# Altium PCB PCB.PcbDoc (part 1 of 5) (continued)
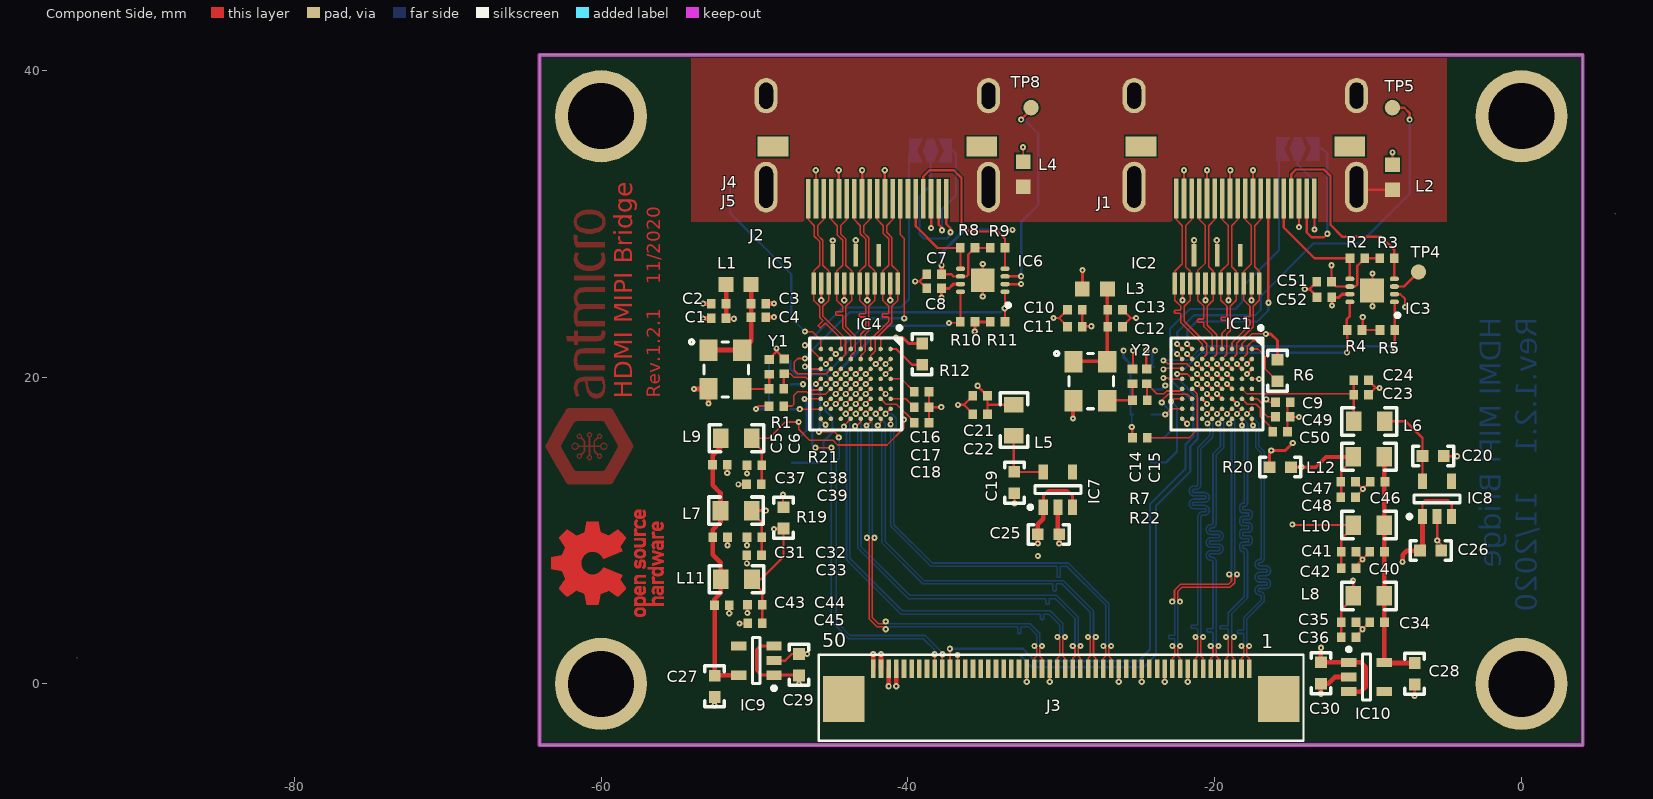
[diagram p0: Component Side view]
## Part data
C1 C4 C7 C8 C9 C10 C13 C16 C17 C18 C31 C34 C37 C40 C43 C46 C49 C50 C51 C52: library part C_100n_0402, "MLCC SMT Capacitor 100nF 0402"
C2 C3 C5 C6 C11 C12 C14 C15: library part C_47p_0402, "MLCC SMT Capacitor 47pF 0402"
C19 C20 C25 C26 C27 C28 C29 C30: library part C_10u_0603, "MLCC SMT Capacitor 10uF 0603"
C21 C23 C32 C35 C38 C41 C44 C47: library part C_4u7_0402, "MLCC SMT Capacitor 4u7F 0603"
C22 C24 C33 C36 C39 C42 C45 C48: library part C_470p_0402, "MLCC SMT Capacitor 470pF 0402"
IC1 IC4: "Toshiba TC358743XBG HDMI-CSI bridge"
IC2 IC5: "8-Channel ESD Protection for DisplayPort and HDMI"
IC3 IC6: "I2C BUS REPEATER W/ LEVEL TRANS, HWSON-8"
IC7 IC8: "Linear Voltage Regulator IC Positive Fixed Output 2.5V 300mA SOT-23-5"
IC9 IC10: "Linear Voltage Regulator IC Positive Fixed Output 3.3V 300mA SOT-23-5"
J1 J2: library part CON-Molex-471511001, "Header right angle HDMI"
J3: library part WE-687-150-145-22_FLIPPED, "0.50mm SMT ZIF Horizontal Bottom Contact WR-FPC"
J4 J5: library part CON-Molex-505110-1992, "FPC socket 19 pins"
JP1 JP2: library part "Jumper 2 way", "Solder jumper"
L1 L3: "Ferrite Bead, 600 ohm, 0603 [1608 Metric], BLM18A Series, 500 mA, 0.38 ohm, ± 25%"
L2 L4: "FERRITE BEAD, 0.025OHM, 3A, 0603"
L5 L6 L7 L8 L9 L10 L11 L12: library part Wurth-742792096, "FERRITE BEAD, 1kOhm 1A"
R1 R7: library part R_22R_0402, "SMT Resistor 22R 0402"
R2 R3 R4 R5 R8 R9 R10 R11 R21 R22: library part R_10k_0402, "SMT Resistor 0402"
R6 R12: library part R_2k_0603, "SMT Resistor 2k 0603"
R13 R14 R15 R16 R17 R18 R19 R20: library part R_0R_0603, "SMT Resistor 0R 0603"
TP1 TP2 TP3 TP4 TP5 TP6 TP7 TP8: library part TP-R-1, "Testpad, round, 1mm"
Y1 Y2: library part 7C-27.000MBB-T, "OSC, 27.000MHZ, 3.3V, SMD, 5.0X3.2"

## Free pads (board coordinates)
  round 6 hole 4.3 unplated: M(-60,0) M(-60,37) M(0,0) M(0,37)

## Via types
v1: diameter 0.4, hole 0.15, Component Side to Solder Side, 247 vias

## Nets (pads, with @x,y where several pads share a name; then routed paths per layer and width w, separated by ;. In a path a pad name is that pad's centre, name@x,y a point inside that pad or via, vN(x,y) a via of type N, cw(c..) or ccw(c..) an arc to the next point about the centre after c; other vN are vias at no path point)
3V3: C1.2 C2.2 C8.1 C10.2 C11.2 C25.2 C26.2 C29.2 C30.2 C52.1 IC2.13 IC2.14 IC3.7 IC5.13 IC5.14 IC6.7 IC7.1 IC7.3 IC8.1 IC8.3 IC9.1 IC9.3 IC10.1 IC10.3 J3.47 J3.48 L1.1 L3.1 R4.2 R5.2 R10.2 R11.2 R13.1 R14.1 R15.1 R16.1 R17.1 R18.1 R21.2 R22.2 | length 213.4
  Component Side w0.15: C1.2@-51.838,23.792 v1@-51.333,23.792 ; v1(-49.898,17.92) -49.708,18.11 R21.2@-49.045,18.11 ; IC9.3@-48.726,2.463 IC9.3@-48.616,2.573 ; C10.2@-28.626,24.384 C11.2@-28.626,23.292 -28.608,23.309 v1(-28.035,23.309) ; v1(-25.4,16.739) -25.372,16.711 R22.2@-25.372,16.053 ; IC2.13@-21.342,27.943 -21.342,29.027 v1@-21.336,29.032 ; IC2.14@-19.842,27.943 v1@-19.842,28.916 ; v1(-10.348,23.901) -10.348,23.112 R4.2@-10.395,23.065 R5.2@-9.222,23.065 ; IC8.1@-6.452,10.903 -6.452,11.785 -6.248,11.989 -4.801,11.989 -4.552,11.74 IC8.3@-4.552,10.903
  Component Side w0.152: IC5.13@-44.894,27.943 v1(-44.894,28.893) ; IC5.14@-43.394,27.943 v1(-43.394,28.916)
  Component Side w0.2: IC9.3@-48.726,2.463 -49.633,2.463 -49.86,2.235 -49.86,0.864 -49.559,0.563 IC9.1@-48.726,0.563 -47.108,0.563 C29.2@-47.092,0.546 ; v1(-37.795,25.171) -37.795,25.76 C8.1@-37.808,25.773 -37.32,25.773 -37.037,26.057 IC6.7@-36.563,26.057 ; v1(-35.636,22.962) -35.624,22.975 R10.2@-35.624,23.589 R11.2@-34.628,23.589 ; IC7.1@-31.165,11.512 -31.165,12.269 -30.836,12.598 -29.616,12.598 -29.265,12.247 IC7.3@-29.265,11.512 ; L3.1@-28.625,25.73 -28.619,25.737 v1(-28.619,26.967) ; v1(-12.344,24.663) -12.344,25.169 C52.1@-12.372,25.197 -11.887,25.197 -11.687,25.397 IC3.7@-11.182,25.397
  Component Side w0.3: C1.2@-51.847,23.818 C2.2@-51.847,24.783 L1.1@-51.846,26.027 ; v1(-41.25,-0.161) J3.48@-41.25,0.99 ; v1(-40.75,-0.161) J3.47@-40.75,0.99 ; v1(-31.521,9.144) -31.524,9.147 C25.2@-31.524,9.741 -31.524,10.414 -31.165,10.773 IC7.1@-31.165,11.512 ; v1(-13.071,2.352) C30.2@-13.071,1.397 -10.465,1.397 -10.16,1.092 -10.16,-0.178 -10.487,-0.505 IC10.3@-11.249,-0.505 ; v1(-7.747,7.95) -7.747,8.407 -7.468,8.687 C26.2@-6.617,8.687 -6.528,8.687 -6.452,8.763 IC8.1@-6.452,10.903
  Power Layer w0.2: v1(-51.342,23.8) -51.333,23.791 -51.333,19.355 v1(-49.898,17.92) -49.898,3.416 -47.092,0.61 v1(-47.092,0) -47.092,-0.711 -46.406,-1.397 -41.656,-1.397 -41.25,-0.991 v1(-41.25,-0.161) v1(-40.75,-0.161) -40.75,-0.948 -40.327,-1.372 -33.198,-1.372 ; v1(-44.894,28.893) -36.728,28.893 ; v1(-37.795,25.171) -35.636,25.171 ; v1(-35.636,22.962) -35.636,25.171 ; v1(-35.636,22.962) -28.372,22.962 -27.94,23.393 -26.949,23.393 -25.933,22.377 v1@-25.933,21.869 ; v1@-28.626,26.967 -28.626,27.584 -29.935,28.893 ; v1(-25.4,16.739) -28.067,16.739 -31.521,13.284 v1(-31.521,9.144) v1(-31.521,8.331) -31.521,8.001 -33.198,6.325 -33.198,-1.372 ; v1@-21.394,28.974 -21.475,28.893 -29.935,28.893 ; v1(-21.336,28.916) v1(-19.863,28.916) -16.597,28.916 -15.329,27.648 -15.329,25.59 -14.402,24.663 v1(-12.344,24.663) -10.693,24.663 -10.348,24.318 v1(-10.348,23.901) ; v1@-13.071,2.311 -9.068,2.311 -7.747,3.632 v1(-7.747,7.95) ; v1(-13.071,2.352) -14.107,2.352 -17.831,-1.372 -33.198,-1.372 ; -36.728,28.893 -29.935,28.893 ; -36.728,28.893 -36.728,27 -35.636,25.908 -35.636,25.171
  Solder Side w0.105: v1(-25.4,16.739) R16.1@-25.4,17.551
  Solder Side w0.15: R15.1@-49.05,17.92 R17.1@-49.05,19.495 R13.1@-49.05,21.07 ; R16.1@-25.489,17.551 R18.1@-25.489,20.853 ; R16.1@-25.327,17.565 R16.1@-25.324,17.567
  Solder Side w0.2: v1(-49.898,17.92) R15.1@-49.05,17.92 ; v1(-25.933,21.717) -25.933,21.298 R18.1@-25.489,20.853
5V0: C7.2 C51.2 IC3.6 IC6.6 J3.49 J3.50 R2.2 R3.2 R8.2 R9.2 | length 72.8
  Component Side w0.15: C7.2@-37.791,26.695 -37.16,26.695 -37.021,26.557 IC6.6@-36.563,26.557 -36.181,26.557 -36.068,26.67 -36.068,27.971 R8.2@-35.624,28.415 R9.2@-34.628,28.415 ; v1(-12.377,27.286) C51.2@-12.377,26.209 -12.065,25.897 IC3.6@-11.182,25.897 -10.831,25.897 -10.706,26.023 -10.706,27.244 R2.2@-10.213,27.737 R3.2@-9.243,27.737
  Component Side w0.3: J3.50@-42.25,0.99 v1@-42.25,1.921 ; J3.49@-41.75,0.99 v1(-41.75,1.938) ; v1(-37.795,27.28) -37.795,26.7 C7.2@-37.791,26.695
  Power Layer w0.2: v1(-42.25,1.938) v1(-41.75,1.938) -40.251,1.938 -34.214,7.976 -34.214,19.202 -38.532,23.52 -38.532,26.543 v1(-37.795,27.28) ; v1(-33.172,29.591) -16.078,29.591 -13.774,27.286 v1(-12.377,27.286)
  Solder Side w0.2: v1(-37.795,27.28) -37.795,28.092 -36.297,29.591 v1(-33.172,29.591)
CH1_1V2: C27.2 C31.2 C37.2 C43.2 IC9.6 L7.1 L9.1 L11.1 | length 18.1
  Component Side w0.3: C27.2@-52.593,0.535 C27.2@-52.593,0.59 ; L9.1@-52.197,16.002 -52.197,15.418 -52.728,14.887 C37.2@-52.728,14.275 -52.728,12.951 -52.212,12.436 L7.1@-52.212,11.29 -52.212,10.551 -52.718,10.046 C31.2@-52.718,9.562 -52.718,8.42 -52.187,7.889 L11.1@-52.187,6.82 -52.187,5.931 -52.601,5.518 C43.2@-52.601,5.131 -52.593,5.123 C27.2@-52.593,0.59 ; IC9.6@-51.026,0.563 -52.566,0.563 C27.2@-52.593,0.59
CH1_#RST: IC4.G5 R21.1 | length 4
  Component Side w0.105: R21.1@-48.085,18.11 -47.549,18.11 -47.447,18.212 -47.447,18.771 -47.168,19.05 -46.609,19.05 -46.438,18.879 -45.365,18.879 IC4.G5@-45.019,19.225
CH1_AVDD12: C32.2 C33.2 IC4.B2 IC4.D3 L7.2 | length 4.8
  Component Side w0.105: v1(-43.394,20.2) IC4.D3@-43.069,20.525 ; v1(-42.088,20.853) -42.088,20.856 IC4.B2@-41.769,21.175
  Component Side w0.15: L7.2@-50.18,11.29 -50.18,11.166 -49.523,10.508 C32.2@-49.523,9.562 C33.2@-49.523,8.624
  Component Side w0.2: L7.2@-50.18,11.29 v1(-49.264,11.29)
CH1_AVDD25: C21.2 C22.2 IC4.B5 L5.2 | length 10.5
  Component Side w0.105: IC4.B5@-41.769,19.225 v1(-41.444,18.9)
  Component Side w0.15: v1(-35.45,19.432) -35.45,19.42 C21.2@-34.801,18.771 -34.801,18.161 ; C22.2@-34.801,17.577 -34.801,18.161 ; L5.2@-33.086,18.201 -34.761,18.201 -34.801,18.161
  Power Layer w0.2: v1(-41.444,18.9) -40.912,19.432 v1(-35.45,19.432)
CH1_AVDD33: IC4.B1 IC4.F3 R12.2 R17.2 | length 12.2
  Component Side w0.105: v1(-44.694,20.2) IC4.F3@-44.369,20.525 ; IC4.B1@-41.769,21.753 IC4.B1@-41.769,21.825 -41.769,22.391 -41.58,22.581 v1(-40.767,22.581)
  Component Side w0.2: v1(-40.767,22.581) -40.335,22.581 -39.942,22.187 R12.2@-39.065,22.187
  Power Layer w0.2: v1(-46.838,19.533) -46.17,20.2 v1(-44.694,20.2)
  Solder Side w0.15: R17.2@-47.653,19.495 -47.615,19.533 v1(-46.838,19.533)
  Solder Side w0.2: v1(-44.694,20.2) -42.313,22.581 v1(-40.767,22.581)
CH1_INT: IC4.B3
CH1_REFCLK: C6.2 IC4.H5 R1.2 | length 4
  Component Side w0.105: C6.2@-48.042,20.213 -47.645,20.213 -47.422,19.99 -46.66,19.99 -46.406,19.736 -46.406,19.304 -46.253,19.152 -45.743,19.152 IC4.H5@-45.669,19.225
  Component Side w0.15: R1.2@-48.079,19.223 C6.2@-48.079,20.176
CH1_VDD_MIPI: C38.2 C39.2 IC4.C6 IC4.F6 L9.2 | length 22.1
  Component Side w0.105: L9.2@-50.165,16.002 -49.047,16.002 -47.981,17.069 v1(-47.117,17.069) -47.117,16.586 -46.406,15.875 -44.882,15.875 -44.577,15.57 -41.351,15.57 -40.259,16.662 v1(-40.259,17.221) ; v1@-44.679,18.25 -44.369,18.56 IC4.F6@-44.369,18.575 ; v1(-42.744,18.25) IC4.C6@-42.419,18.575
  Component Side w0.15: L9.2@-50.18,15.887 -49.523,15.229 C38.2@-49.523,14.236 C39.2@-49.523,13.069
  Power Layer w0.2: v1(-47.117,17.069) -46.66,17.069 -46.126,17.602 -45.326,17.602 v1@-44.679,18.25 ; v1(-42.744,18.25) -42.553,18.059 -41.097,18.059 v1(-40.259,17.221)
  other v1: -44.694,18.25
CH1_VDDC1: C44.2 C45.2 IC4.G2 L11.2 R19.1 | length 23.1
  Component Side w0.105: v1(-45.344,20.85) IC4.G2@-45.019,21.175
  Component Side w0.15: C45.2@-49.497,4.23 C44.2@-49.497,5.144 -49.497,6.038 -50.155,6.696 L11.2@-50.155,6.82 -49.568,6.82 -48.108,8.28 R19.1@-48.108,10.122 -48.679,10.122 v1(-48.717,10.084)
  Power Layer w0.2: v1@-48.692,10.084 v1(-48.717,10.084) -48.717,20.168 -47.269,21.615 -45.72,21.615 -45.344,21.239 v1(-45.344,20.85)
CH1_VDDC2: IC4.C3 IC4.F5 R19.2 | length 28.3
  Component Side w0.105: v1(-48.133,12.344) -48.133,11.544 R19.2@-48.108,11.519 ; v1(-44.694,18.9) IC4.F5@-44.369,19.225 ; v1(-42.744,20.2) IC4.C3@-42.419,20.525
  Power Layer w0.2: v1(-48.133,12.344) -48.133,13.081 ; v1(-44.694,18.9) -44.768,18.974 -47.523,18.974 -48.133,18.364 -48.133,13.081 ; v1(-42.744,20.2) -42.374,20.2 -42.037,19.863 -42.037,18.669 -41.808,18.44 -40.132,18.44 -39.446,17.755 -39.446,15.799 -40.716,14.529 -46.685,14.529 -48.133,13.081
CH1_VDDIO1: IC4.F4 R13.2 | length 4.4
  Component Side w0.105: v1(-44.694,19.55) IC4.F4@-44.369,19.875
  Solder Side w0.15: R13.2@-47.653,21.07 -47.653,20.526 -47.295,20.168 -45.312,20.168 v1(-44.694,19.55)
CH1_VDDIO2: IC4.H7 R15.2 | length 2
  Component Side w0.105: v1(-47.041,17.907) -45.687,17.907 IC4.H7@-45.669,17.925
  Solder Side w0.15: R15.2@-47.653,17.92 -47.64,17.907 v1(-47.041,17.907)
CH2_1V2: C28.2 C34.2 C40.2 C46.2 IC10.6 L8.1 L10.1 L12.1 | length 27.1
  Component Side w0.15: IC10.6@-8.949,1.395 -8.949,4.011 C34.2@-8.933,4.026 ; L8.1@-8.931,5.728 L10.1@-8.931,10.351 L12.1@-8.931,14.796
  Component Side w0.3: IC10.6@-8.949,1.395 -8.913,1.359 C28.2@-6.96,1.359 ; IC10.6@-8.933,1.395 C34.2@-8.933,4.026 -8.933,5.726 L8.1@-8.931,5.728 ; L8.1@-8.933,5.728 C40.2@-8.933,8.598 -8.933,14.793 L12.1@-8.931,14.796
CH2_#RST: IC1.G5 R22.1 | length 6.3
  Component Side w0.105: R22.1@-24.46,16.027 -24.435,16.053 -21.641,16.053 -21.142,16.552 -21.142,18.9 IC1.G5@-21.467,19.225
CH2_AVDD12: C35.2 C36.2 IC1.B2 IC1.D3 L8.2 | length 29.4
  Component Side w0.105: IC1.B2@-18.217,21.175 -17.882,21.511 -17.882,21.996 -17.501,22.377 v1(-17.094,22.377)
  Component Side w0.15: v1(-19.842,20.85) IC1.D3@-19.517,20.525 ; C36.2@-11.748,3.036 C35.2@-11.748,4.026 -11.748,4.816 -10.963,5.601 L8.2@-10.963,5.728 v1@-10.963,6.696
  Power Layer w0.2: v1(-19.842,20.85) -19.842,21.5 -18.965,22.377 v1(-17.094,22.377) -16.434,22.377 -14.021,19.964 -14.021,15.469 -14.91,14.58 -14.91,11.887 -10.973,7.95 v1(-10.973,6.731)
CH2_AVDD25: C23.2 C24.2 IC1.B5 L6.2 | length 10.1
  Component Side w0.105: IC1.B5@-18.217,19.225 -17.889,18.898 -10.998,18.898 C23.2@-10.937,18.837
  Component Side w0.15: L6.2@-10.937,17.107 C23.2@-10.937,18.837 ; C23.2@-10.935,18.835 C23.2@-10.937,18.837 ; C24.2@-10.935,19.774 -10.937,19.772 C23.2@-10.937,18.837
CH2_AVDD33: IC1.B1 IC1.F3 R6.2 R18.2 | length 14.5
  Component Side w0.105: IC1.F3@-20.817,20.525 IC1.F3@-20.817,20.538 ; IC1.B1@-18.217,21.825 -18.217,22.169 -17.577,22.809 v1(-16.662,22.809)
  Component Side w0.15: v1@-21.142,20.85 IC1.F3@-20.817,20.525
  Component Side w0.2: v1(-16.662,22.809) -16.332,22.809 -15.9,22.377 R6.2@-15.9,21.12
  Power Layer w0.2: v1(-23.876,21.717) -23.292,21.717 -22.425,20.85 v1(-21.142,20.85) -21.142,21.225 -19.558,22.809 v1(-16.662,22.809)
  Solder Side w0.15: R18.2@-23.98,20.663 R18.2@-23.952,20.691 ; v1@-23.901,21.742 v1@-23.876,21.768
  Solder Side w0.2: R18.2@-24.092,20.853 -24.092,21.501 v1(-23.876,21.717)
CH2_INT: IC1.B3 | length 0.5
  Component Side w0.15: v1(-18.542,20.85) IC1.B3@-18.217,20.525
CH2_REFCLK: C15.2 IC1.H5 R7.2 | length 3.8
  Component Side w0.105: C15.2@-24.414,19.562 -23.768,18.917 -23.298,18.917 -23.125,19.089 -22.253,19.089 IC1.H5@-22.117,19.225
  Component Side w0.15: C15.2@-24.414,19.562 -24.414,18.515 R7.2@-24.391,18.493
CH2_VDD_MIPI: C41.2 C42.2 IC1.C6 IC1.F6 L10.2 | length 19.9
  Component Side w0.15: IC1.F6@-20.817,18.575 v1(-20.492,18.25) ; IC1.C6@-18.867,18.575 v1(-18.542,18.25) ; v1(-14.935,10.389) -14.898,10.351 L10.2@-10.963,10.351 -10.963,10.221 -11.748,9.436 C41.2@-11.748,8.598 C42.2@-11.748,7.532
  Power Layer w0.2: v1(-20.492,18.25) v1(-18.542,18.25) -17.57,18.25 -15.596,16.276 -15.596,11.049 v1(-14.935,10.389)
CH2_VDDC1: C47.2 C48.2 IC1.G2 L12.2 R20.1 | length 25.7
  Component Side w0.15: v1(-21.792,21.5) IC1.G2@-21.467,21.175 ; C48.2@-11.748,12.129 -11.748,13.884 -10.963,14.669 L12.2@-10.963,14.796
  Component Side w0.25: R20.1@-15.024,14.122 v1(-14.351,14.122) -13.424,14.122 -12.751,14.796 L12.2@-10.963,14.796
  Power Layer w0.2: v1(-21.792,21.5) -19.924,23.368 -15.519,23.368 -13.437,21.285 -13.437,14.478 -13.792,14.122 v1(-14.351,14.122)
CH2_VDDC2: IC1.C3 IC1.F5 R20.2 | length 21.7
  Component Side w0.105: v1@-16.307,15.1 v1(-16.307,15.215)
  Component Side w0.15: v1@-21.142,19.55 IC1.F5@-20.817,19.225 ; v1(-19.192,20.85) IC1.C3@-18.867,20.525
  Component Side w0.2: R20.2@-16.421,14.122 v1@-16.421,15.1 ; v1(-16.307,15.215) -15.392,15.215 v1(-14.91,15.697)
  Power Layer w0.2: v1(-21.142,19.55) -21.142,16.494 -19.863,15.215 v1(-16.307,15.215) ; v1(-19.192,20.85) -19.192,21.27 -18.771,21.692 -17.018,21.692 -14.91,19.583 v1(-14.91,15.697) v1@-14.884,15.672
CH2_VDDIO1: IC1.F4 R14.2 | length 3.9
  Component Side w0.15: v1@-21.142,20.2 IC1.F4@-20.817,19.875
  Power Layer w0.2: v1(-23.216,19.443) -22.289,19.443 -21.532,20.2 v1(-21.142,20.2)
  Solder Side w0.105: R14.2@-24.115,19.192 R14.2@-24.014,19.192
  Solder Side w0.15: R14.2@-24.014,19.192 -23.467,19.192 v1(-23.216,19.443)
CH2_VDDIO2: IC1.H7 R16.2 | length 2.1
  Component Side w0.105: v1@-23.092,17.551 -23.092,17.675 -22.842,17.925 IC1.H7@-22.117,17.925
  Solder Side w0.15: R16.2@-24.092,17.551 v1(-23.216,17.551)
CSI1_CLK_N: IC4.C7 J3.28 | length 28.1
  Component Side w0.105: v1(-42.744,17.602) v1(-42.744,17.602) IC4.C7@-42.419,17.925 ; v1(-42.167,9.525) -42.315,9.378 -42.315,5.634 -42.316,5.632 -42.316,4.325 -41.91,3.918 -41.59,3.918 v1(-41.442,4.066) ; J3.28@-31.25,0.99 -31.25,1.664 -31.395,1.809 -31.395,2.316 v1(-31.247,2.464)
  Solder Side w0.105: v1(-42.744,17.602) -42.744,17.6 -42.315,17.171 -42.315,9.673 v1(-42.167,9.525) ; v1@-41.529,3.918 -41.442,4.005 v1(-41.442,4.066) ; v1@-41.442,3.918 -33.503,3.918 -32.883,3.918 -32.019,3.918 -31.395,3.295 -31.395,2.611 v1(-31.247,2.464)
CSI1_CLK_P: IC4.C8 J3.29 | length 28.1
  Component Side w0.105: v1(-42.697,16.84) -42.672,16.84 -42.419,17.093 IC4.C8@-42.419,17.275 ; v1(-42.672,9.525) -42.525,9.378 -42.525,5.721 -42.526,5.719 -42.526,4.238 -41.997,3.708 -41.59,3.708 v1(-41.442,3.561) ; v1(-31.752,2.464) -31.605,2.316 -31.605,1.809 -31.75,1.664 J3.29@-31.75,0.99
  Solder Side w0.105: v1(-42.697,16.84) -42.525,16.668 -42.525,9.673 v1(-42.672,9.525) ; v1@-41.529,3.708 -41.442,3.621 v1(-41.442,3.561) ; v1@-41.442,3.708 -33.503,3.708 -32.883,3.708 -32.841,3.666 -32.841,3.32 -32.799,3.278 -32.673,3.278 -32.631,3.32 -32.631,3.666 -32.589,3.708 -32.421,3.708 -32.211,3.708 -32.106,3.708 -31.605,3.208 -31.605,2.611 v1(-31.752,2.464)
CSI1_D1_N: IC4.E7 J3.25 | length 28.8
  Component Side w0.105: v1(-44.044,17.602) -44.042,17.602 IC4.E7@-43.719,17.925 ; J3.25@-29.75,0.99 -29.75,1.664 -29.895,1.809 -29.895,2.901 v1(-29.748,3.048)
  Solder Side w0.105: v1(-44.044,17.602) -44.044,17.6 -43.79,17.346 -43.79,16.939 -43.787,16.937 -43.788,16.936 -43.788,16.813 ; -43.79,16.813 -43.79,8.179 -40.367,4.757 -30.723,4.757 -29.895,3.928 -29.895,3.196 v1(-29.748,3.048)
CSI1_D1_P: IC4.E8 J3.26 | length 28.8
  Component Side w0.105: v1(-44.171,16.764) -44.12,16.764 -44.12,16.874 IC4.E8@-43.719,17.275 ; v1(-30.253,3.048) -30.105,2.901 -30.105,1.809 -30.25,1.664 J3.26@-30.25,0.99
  Solder Side w0.105: v1(-44.171,16.764) -44,16.593 -44,8.092 -40.454,4.547 -31.953,4.547 -31.396,4.547 -31.354,4.505 -31.354,4.237 -31.312,4.195 -31.186,4.195 -31.144,4.237 -31.144,4.505 -31.102,4.547 -31.039,4.547 -30.81,4.547 -30.105,3.841 -30.105,3.196 v1(-30.253,3.048)
CSI1_D2_N: IC4.D7 J3.23 | length 28.9
  Component Side w0.105: v1@-43.383,17.602 -43.069,17.916 IC4.D7@-43.069,17.925 ; J3.23@-28.75,0.99 -28.75,1.664 -28.895,1.809 -28.895,2.316 v1(-28.748,2.464)
  Solder Side w0.105: v1(-43.394,17.602) -43.394,17.6 -43.053,17.259 -43.053,16.99 -43.051,16.988 -43.052,16.987 -43.052,16.694 -43.053,16.692 -43.053,8.941 -39.878,5.766 -30.31,5.766 -28.895,4.351 -28.895,2.611 v1(-28.748,2.464)
CSI1_D2_P: IC4.D8 J3.24 | length 28.9
  Component Side w0.105: v1(-43.434,16.789) -43.358,16.789 -43.069,17.078 IC4.D8@-43.069,17.275 ; v1(-29.253,2.464) -29.105,2.316 -29.105,1.809 -29.25,1.664 J3.24@-29.25,0.99
  Solder Side w0.105: v1(-43.434,16.789) -43.263,16.618 -43.263,8.854 -39.965,5.556 -31.166,5.556 -31.04,5.556 -30.998,5.514 -30.998,5.22 -30.956,5.178 -30.83,5.178 -30.788,5.22 -30.788,5.514 -30.746,5.556 -30.683,5.556 -30.397,5.556 -29.105,4.264 -29.105,2.611 v1(-29.253,2.464)
CSI1_D3_N: IC4.B7 J3.21 | length 28.4
  Component Side w0.105: v1(-42.088,17.602) -41.769,17.921 IC4.B7@-41.769,17.925 ; J3.21@-27.75,0.99 -27.75,1.664 -27.895,1.809 -27.895,2.901 v1(-27.748,3.048)
  Solder Side w0.105: v1(-42.088,17.602) -41.478,16.993 -41.478,16.568 -41.478,9.271 -38.938,6.731 -31.013,6.731 -30.583,6.731 -29.87,6.731 -27.895,4.756 -27.895,3.196 v1(-27.748,3.048)
CSI1_D3_P: IC4.B8 J3.22 | length 28.4
  Component Side w0.105: v1(-41.961,16.84) -41.769,17.032 IC4.B8@-41.769,17.275 ; v1(-28.253,3.048) -28.105,2.901 -28.105,1.809 -28.25,1.664 J3.22@-28.25,0.99
  Solder Side w0.105: v1(-41.961,16.84) -41.688,16.568 -41.688,9.184 -39.025,6.521 -31.013,6.521 -30.583,6.521 -30.541,6.479 -30.541,6.093 -30.499,6.051 -30.373,6.051 -30.331,6.093 -30.331,6.479 -30.289,6.521 -30.226,6.521 -29.957,6.521 -28.105,4.669 -28.105,3.196 v1(-28.253,3.048)
CSI1_D4_N: IC4.A7 J3.19 | length 28.8
  Component Side w0.105: v1@-41.453,17.602 v1(-41.444,17.602) v1(-41.444,17.602) IC4.A7@-41.119,17.925 ; J3.19@-26.75,0.99 -26.75,1.664 -26.895,1.809 -26.895,2.316 v1(-26.748,2.464)
  Solder Side w0.105: v1(-41.444,17.602) -41.046,17.602 -40.761,17.317 -40.761,16.765 -40.909,16.617 -40.909,10.378 -38.405,7.874 -30.683,7.874 -30.304,7.874 -29.548,7.874 -26.895,5.221 -26.895,2.611 v1(-26.748,2.464)
CSI1_D4_P: IC4.A8 J3.20 | length 28.8
  Component Side w0.105: v1(-41.119,16.913) IC4.A8@-41.119,17.275 ; v1(-27.253,2.464) -27.105,2.316 -27.105,1.809 -27.25,1.664 J3.20@-27.25,0.99
  Solder Side w0.105: v1(-41.119,16.913) -41.119,16.617 -41.119,10.291 -38.492,7.664 -30.683,7.664 -30.304,7.664 -30.262,7.622 -30.262,6.98 -30.22,6.938 -30.094,6.938 -30.052,6.98 -30.052,7.622 -30.01,7.664 -29.947,7.664 -29.635,7.664 -27.105,5.134 -27.105,2.611 v1(-27.253,2.464)
CSI2_CLK_N: J3.13
CSI2_CLK_P: J3.14
CSI2_D1_N: J3.16
CSI2_D1_P: J3.17
CSI3_CLK_N: IC1.C7 J3.10 | length 21.1
  Component Side w0.105: v1(-22.255,5.359) -22.403,5.507 -22.403,6.02 -22.13,6.292 -18.993,6.292 -18.692,6.593 -18.692,6.99 v1(-18.545,7.137) ; J3.10@-22.25,0.99 -22.25,1.664 -22.395,1.809 -22.395,2.316 v1(-22.247,2.464) ; v1(-19.192,17.6) IC1.C7@-18.867,17.925
  Solder Side w0.105: v1(-22.255,5.359) -22.395,5.22 -22.395,2.611 v1(-22.247,2.464) ; v1(-19.192,17.6) -19.174,17.6 -18.692,17.118 -18.692,7.285 v1(-18.545,7.137)
CSI3_CLK_P: IC1.C8 J3.11 | length 21.1
  Component Side w0.105: v1(-22.76,5.359) -22.613,5.507 -22.613,6.107 -22.217,6.502 -19.08,6.502 -18.902,6.68 -18.902,6.99 v1(-19.05,7.137) ; v1(-22.752,2.464) -22.605,2.316 -22.605,1.809 -22.75,1.664 J3.11@-22.75,0.99 ; v1(-19.05,16.97) -19.174,16.97 IC1.C8@-18.866,17.278
  Solder Side w0.105: v1(-22.76,5.359) -22.605,5.203 -22.605,3.785 -22.605,3.202 -22.647,3.16 -22.952,3.16 -22.994,3.118 -22.994,2.992 -22.952,2.95 -22.647,2.95 -22.605,2.908 -22.605,2.845 -22.605,2.611 v1(-22.752,2.464) ; v1(-19.05,7.137) -18.902,7.285 -18.902,16.823 v1(-19.05,16.97)
CSI3_D1_N: IC1.E7 J3.7 | length 21.2
  Component Side w0.105: J3.7@-20.75,0.99 -20.75,1.664 -20.895,1.809 -20.895,2.901 v1(-20.748,3.048) ; v1(-20.492,17.6) IC1.E7@-20.167,17.925
  Solder Side w0.105: v1(-20.748,3.048) -20.895,3.196 -20.895,3.862 -20.895,10.316 -20.895,10.893 cw(c-20.79,10.893) -20.79,10.998 -20.66,10.998 ccw(c-20.66,11.313) -20.345,11.313 ccw(c-20.66,11.313) -20.66,11.628 -21.34,11.628 cw(c-21.34,11.733) -21.445,11.733 cw(c-21.34,11.733) -21.34,11.838 -20.66,11.838 ccw(c-20.66,12.153) -20.345,12.153 ccw(c-20.66,12.153) -20.66,12.468 -21.34,12.468 cw(c-21.34,12.573) -21.445,12.573 cw(c-21.34,12.573) -21.34,12.678 -21.21,12.678 ccw(c-21.21,12.993) -20.895,12.993 -20.895,13.397 -20.895,15.301 -20.117,16.078 -20.117,16.82 -20.117,17.115 -20.492,17.49 v1(-20.492,17.6)
CSI3_D1_P: IC1.E8 J3.8 | length 21.2
  Component Side w0.105: v1(-21.253,3.048) -21.105,2.901 -21.105,1.809 -21.25,1.664 J3.8@-21.25,0.99 ; v1(-20.475,16.967) IC1.E8@-20.167,17.275
  Solder Side w0.105: v1(-21.253,3.048) -21.105,3.196 -21.105,3.568 -21.147,3.61 -21.488,3.61 -21.53,3.652 -21.53,3.778 -21.488,3.82 -21.147,3.82 -21.105,3.862 -21.105,10.316 -21.105,10.893 cw(c-20.79,10.893) -20.79,11.208 -20.66,11.208 ccw(c-20.66,11.313) -20.555,11.313 ccw(c-20.66,11.313) -20.66,11.418 -21.34,11.418 cw(c-21.34,11.733) -21.655,11.733 cw(c-21.34,11.733) -21.34,12.048 -20.66,12.048 ccw(c-20.66,12.153) -20.555,12.153 ccw(c-20.66,12.153) -20.66,12.258 -21.34,12.258 cw(c-21.34,12.573) -21.655,12.573 cw(c-21.34,12.573) -21.34,12.888 -21.21,12.888 ccw(c-21.21,12.993) -21.105,12.993 -21.105,13.397 -21.105,15.388 -20.327,16.165 -20.327,16.82 v1(-20.475,16.967)
CSI3_D2_N: IC1.D7 J3.5 | length 21.1
  Component Side w0.105: v1(-19.842,17.6) IC1.D7@-19.517,17.925 ; J3.5@-19.75,0.99 -19.75,1.664 -19.895,1.809 -19.895,2.316 v1(-19.748,2.464)
  Solder Side w0.105: v1(-19.842,17.6) -19.842,17.554 -19.404,17.115 -19.404,16.82 -19.404,15.402 -19.895,14.911 -19.895,10.47 cw(c-20.21,10.47) -20.21,10.155 -20.24,10.155 ccw(c-20.24,10.05) -20.345,10.05 ccw(c-20.24,10.05) -20.24,9.945 -19.76,9.945 cw(c-19.76,9.63) -19.445,9.63 cw(c-19.76,9.63) -19.76,9.315 -20.24,9.315 ccw(c-20.24,9.21) -20.345,9.21 ccw(c-20.24,9.21) -20.24,9.105 -19.76,9.105 cw(c-19.76,8.79) -19.445,8.79 cw(c-19.76,8.79) -19.76,8.475 -20.24,8.475 ccw(c-20.24,8.37) -20.345,8.37 ccw(c-20.24,8.37) -20.24,8.265 -20.21,8.265 cw(c-20.21,7.95) -19.895,7.95 -19.895,3.634 -19.895,3.34 -19.895,2.611 v1(-19.748,2.464)
CSI3_D2_P: IC1.D8 J3.6 | length 21.1
  Component Side w0.105: v1(-20.253,2.464) -20.105,2.316 -20.105,1.809 -20.25,1.664 J3.6@-20.25,0.99 ; v1(-19.761,16.967) -19.821,16.967 -19.824,16.97 IC1.D8@-19.516,17.278
  Solder Side w0.105: v1(-20.253,2.464) -20.105,2.611 -20.105,3.34 -20.147,3.382 -20.469,3.382 -20.511,3.424 -20.511,3.55 -20.469,3.592 -20.147,3.592 -20.105,3.634 -20.105,7.95 ccw(c-20.21,7.95) -20.21,8.055 -20.24,8.055 cw(c-20.24,8.37) -20.555,8.37 cw(c-20.24,8.37) -20.24,8.685 -19.76,8.685 ccw(c-19.76,8.79) -19.655,8.79 ccw(c-19.76,8.79) -19.76,8.895 -20.24,8.895 cw(c-20.24,9.21) -20.555,9.21 cw(c-20.24,9.21) -20.24,9.525 -19.76,9.525 ccw(c-19.76,9.63) -19.655,9.63 ccw(c-19.76,9.63) -19.76,9.735 -20.24,9.735 cw(c-20.24,10.05) -20.555,10.05 cw(c-20.24,10.05) -20.24,10.365 -20.21,10.365 ccw(c-20.21,10.47) -20.105,10.47 -20.105,14.998 -19.614,15.489 -19.614,16.82 v1(-19.761,16.967)
CSI3_D3_N: IC1.B7 J3.3 | length 21.3
  Component Side w0.105: J3.3@-18.75,0.99 -18.75,1.664 -18.895,1.809 -18.895,2.901 v1(-18.748,3.048) ; v1(-18.542,17.6) IC1.B7@-18.217,17.925
  Solder Side w0.105: v1(-18.748,3.048) -18.895,3.196 -18.895,3.837 -18.895,4.549 -17.856,5.588 -17.856,8.593 ccw(c-18.087,8.593) -18.087,8.824 -18.135,8.824 cw(c-18.135,8.845) -18.156,8.845 -18.156,9.013 cw(c-18.135,9.013) -18.135,9.034 -17.787,9.034 ccw(c-17.787,9.265) -17.556,9.265 -17.556,9.433 ccw(c-17.787,9.433) -17.787,9.664 -18.135,9.664 cw(c-18.135,9.685) -18.156,9.685 -18.156,9.853 cw(c-18.135,9.853) -18.135,9.874 -17.787,9.874 ccw(c-17.787,10.105) -17.556,10.105 -17.556,10.273 ccw(c-17.787,10.273) -17.787,10.504 -18.135,10.504 cw(c-18.135,10.525) -18.156,10.525 -18.156,10.693 cw(c-18.135,10.693) -18.135,10.714 -17.787,10.714 ccw(c-17.787,10.945) -17.556,10.945 -17.556,11.113 ccw(c-17.787,11.113) -17.787,11.344 -18.135,11.344 ; v1(-18.542,17.6) -18.476,17.6 -17.859,16.983 -17.859,16.774 -17.856,16.771 -17.856,13.476 -17.856,11.785 cw(c-18.087,11.785) -18.087,11.554 -18.135,11.554 ccw(c-18.135,11.533) -18.156,11.533 -18.156,11.365
CSI3_D3_P: IC1.B8 J3.4 | length 21.3
  Component Side w0.105: v1(-19.253,3.048) -19.105,2.901 -19.105,1.809 -19.25,1.664 J3.4@-19.25,0.99 ; v1(-18.217,16.835) IC1.B8@-18.217,17.275 IC1.B8@-18.164,17.275
  Solder Side w0.105: v1(-19.253,3.048) -19.105,3.196 -19.105,3.543 -19.147,3.585 -19.608,3.585 -19.65,3.627 -19.65,3.753 -19.608,3.795 -19.147,3.795 -19.105,3.837 -19.105,4.636 -18.066,5.675 -18.066,8.593 ccw(c-18.087,8.593) -18.087,8.614 -18.135,8.614 cw(c-18.135,8.845) -18.366,8.845 -18.366,9.013 cw(c-18.135,9.013) -18.135,9.244 -17.787,9.244 ccw(c-17.787,9.265) -17.766,9.265 -17.766,9.433 ; v1(-18.217,16.835) -18.066,16.684 -18.066,13.476 -18.066,11.785 cw(c-18.087,11.785) -18.087,11.764 -18.135,11.764 ccw(c-18.135,11.533) -18.366,11.533 -18.366,11.365 ccw(c-18.135,11.365) -18.135,11.134 -17.787,11.134 cw(c-17.787,11.113) -17.766,11.113 -17.766,10.945 cw(c-17.787,10.945) -17.787,10.924 -18.135,10.924 ccw(c-18.135,10.693) -18.366,10.693 -18.366,10.525 ccw(c-18.135,10.525) -18.135,10.294 -17.787,10.294 cw(c-17.787,10.273) -17.766,10.273 -17.766,10.105 cw(c-17.787,10.105) -17.787,10.084 -18.135,10.084 ccw(c-18.135,9.853) -18.366,9.853 -18.366,9.685 ccw(c-18.135,9.685) -18.135,9.454 -17.787,9.454
CSI3_D4_N: IC1.A7 J3.1 | length 21.2
  Component Side w0.105: v1(-17.892,17.6) IC1.A7@-17.567,17.925 ; J3.1@-17.75,0.99 -17.75,1.664 -17.895,1.809 -17.895,2.316 v1(-17.748,2.464)
  Solder Side w0.105: v1(-17.892,17.6) -17.755,17.6 -17.12,16.965 -17.12,15.505 -16.84,15.225 -16.757,15.142 -16.757,8.19 cw(c-17.052,8.19) -17.052,7.895 ccw(c-17.052,7.79) -17.157,7.79 ccw(c-17.052,7.79) -17.052,7.685 -16.672,7.685 cw(c-16.672,7.37) -16.357,7.37 cw(c-16.672,7.37) -16.672,7.055 -17.052,7.055 ccw(c-17.052,6.95) -17.157,6.95 ccw(c-17.052,6.95) -17.052,6.845 -16.672,6.845 cw(c-16.672,6.53) -16.357,6.53 cw(c-16.672,6.53) -16.672,6.215 -17.052,6.215 ccw(c-17.052,6.11) -17.157,6.11 ccw(c-17.052,6.11) -17.052,6.005 cw(c-17.052,5.71) -16.757,5.71 -16.757,5.374 -17.895,4.236 -17.895,3.532 -17.895,2.611 v1(-17.748,2.464)
CSI3_D4_P: IC1.A8 J3.2 | length 20.9
  Component Side w0.105: v1(-18.253,2.464) -18.105,2.316 -18.105,1.809 -18.25,1.664 J3.2@-18.25,0.99 ; IC1.A8@-17.567,17.275 -17.567,16.907 v1@-17.501,16.84
  Solder Side w0.105: v1(-18.253,2.464) -18.105,2.611 -18.105,3.238 -18.147,3.28 -18.479,3.28 -18.521,3.322 -18.521,3.448 -18.479,3.49 -18.147,3.49 -18.105,3.532 -18.105,4.323 -16.967,5.461 -16.967,5.71 ccw(c-17.052,5.71) -17.052,5.795 cw(c-17.052,6.11) -17.367,6.11 cw(c-17.052,6.11) -17.052,6.425 -16.672,6.425 ccw(c-16.672,6.53) -16.567,6.53 ccw(c-16.672,6.53) -16.672,6.635 -17.052,6.635 cw(c-17.052,6.95) -17.367,6.95 cw(c-17.052,6.95) -17.052,7.265 -16.672,7.265 ccw(c-16.672,7.37) -16.567,7.37 ccw(c-16.672,7.37) -16.672,7.475 -17.052,7.475 cw(c-17.052,7.79) -17.367,7.79 cw(c-17.052,7.79) -17.052,8.105 ccw(c-17.052,8.19) -16.967,8.19 -16.967,15.055 -17.33,15.418 -17.33,16.664 v1(-17.501,16.835)
DUMMY1: J2.14 J4.14
DUMMY_2: J1.14 J5.14